# Altium PCB HIVE_BOARD_PCB ASCII REV Project_PCB_Rev.Project_SCH_Rev.PcbDoc (part 6 of 9) (continued)
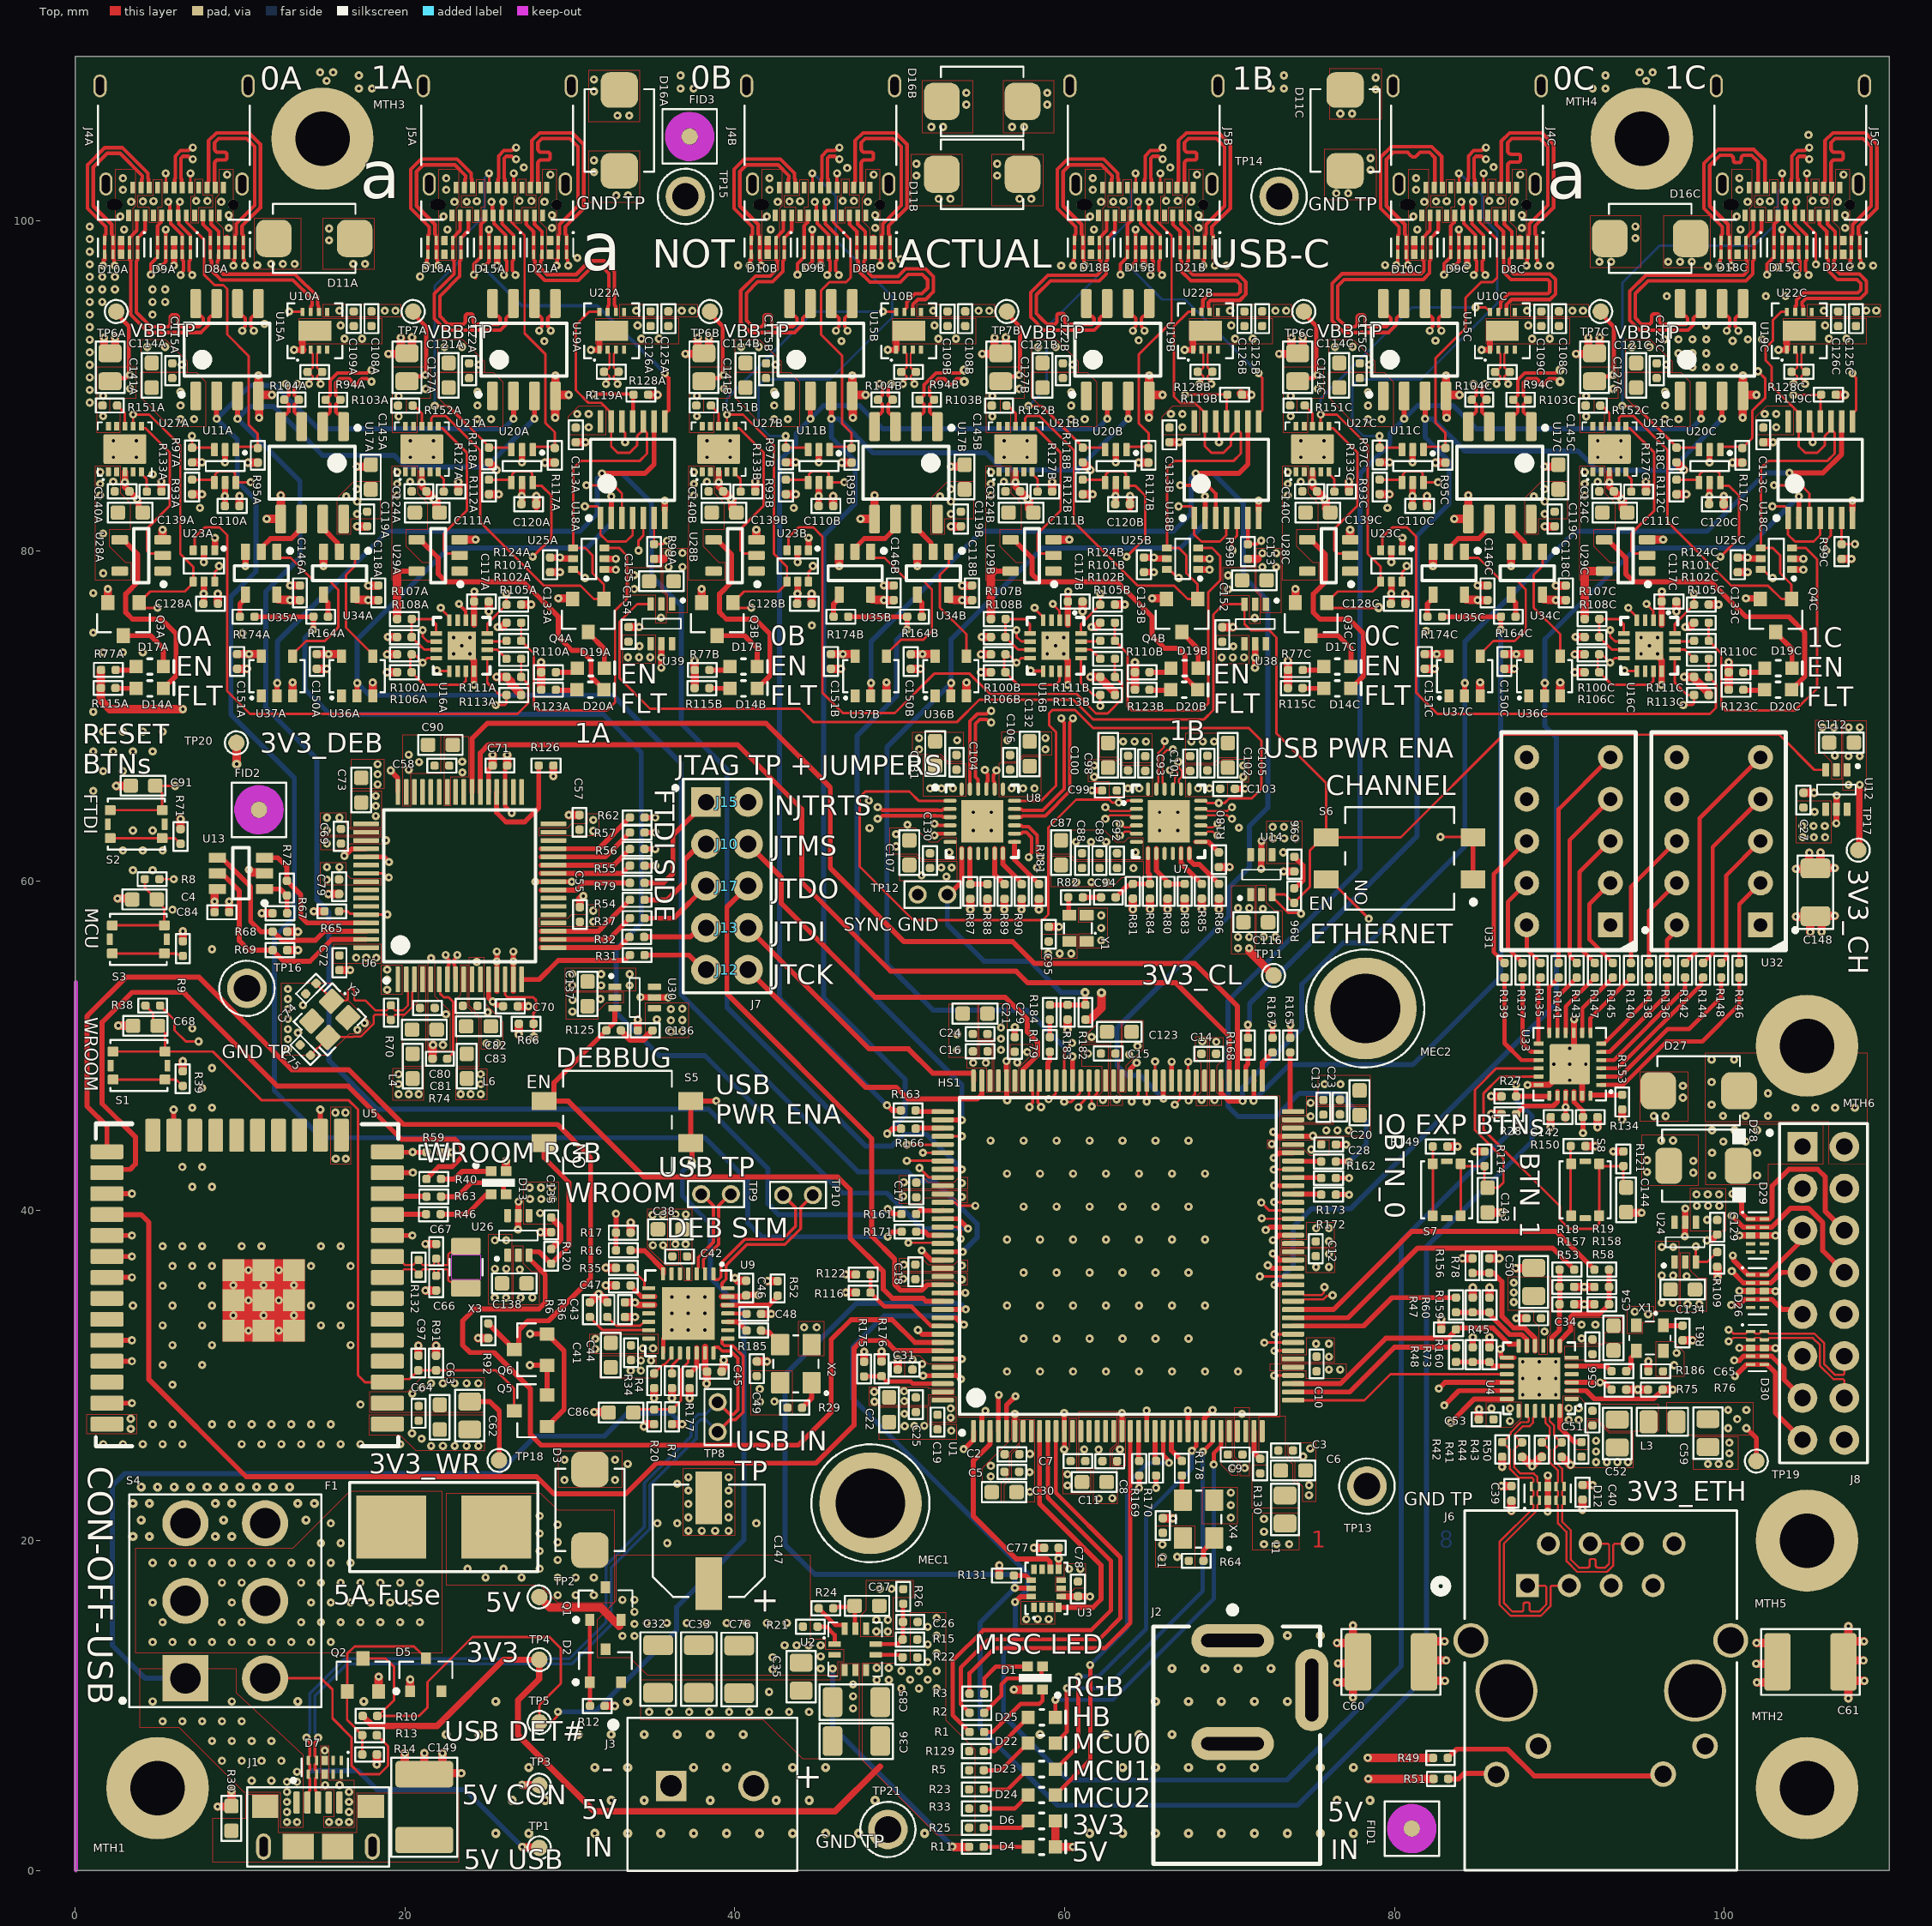
[diagram p0: Top view]
## Nets (pads, with @x,y where several pads share a name; then routed paths per layer and width w, separated by ;. In a path a pad name is that pad's centre, name@x,y a point inside that pad or via, vN(x,y) a via of type N, cw(c..) or ccw(c..) an arc to the next point about the centre after c; other vN are vias at no path point) (continued)
  other v1: 15.392,2.942 16.002,2.942 16.612,2.942 16.612,3.551 8.644,3.879 16.612,4.161 16.612,4.77 9.486,4.839 15.163,5.185 16.037,5.185 78.405,5.567 23.421,5.898 18.296,6.421 78.374,6.831 19.994,7.121 21.176,7.121 22.275,7.109 15.138,7.276 34.807,9.618 36.019,9.618 37.231,9.618 38.443,9.618 39.655,9.618 40.867,9.618 42.079,9.618 43.292,9.618 44.504,9.618 47.174,9.836 32.724,9.975 107.516,10.435 77.479,10.476 47.174,10.565 42.079,10.83 47.174,11.293 76.529,11.409 108.484,11.501 20.32,11.582 18.411,11.755 76.566,12.563 108.429,12.735 76.511,13.798 108.466,13.889 48.583,14.498 49.28,14.498 107.516,14.822 77.479,14.864 48.583,15.195 49.28,15.195 57.675,15.245 58.355,15.245 59.035,15.245 48.806,17.074 49.502,17.074 60.261,18.284 60.951,18.284 58.131,19.568 37.186,20.599 37.998,20.599 38.811,20.599 39.624,20.599 66.572,21.349 70.074,21.388 37.186,21.412 39.624,21.412 89.281,21.767 70.074,22.151 37.186,22.225 39.624,22.225 62.068,22.547 62.885,22.574 74.812,22.759 70.074,22.914 37.186,23.038 39.624,23.038 86.472,23.314 74.815,23.363 92.011,23.373 29.669,23.678 32.743,23.678 37.186,23.851 39.624,23.851 55.518,23.897 89.293,23.952 70.913,24.405 55.522,24.533 99,24.648 99.645,24.648 100.291,24.648 92.217,24.765 92.862,24.765 93.508,24.765 94.153,24.765 29.669,24.897 32.743,24.897 74.446,25.099 100.291,25.293 92.217,25.41 61.187,25.53 62.054,25.523 74.89,25.588 21.587,25.744 22.304,25.744 23.021,25.744 23.738,25.744 24.455,25.744 100.291,25.938 92.217,26.055 21.009,26.179 20.428,26.506 53.126,26.67 3.38,26.779 50.296,26.947 50.892,26.956 51.488,26.966 3.38,27.389 70.749,27.679 50.287,27.685 31.471,27.795 85.115,27.965 35.104,28.635 94.75,29.159 51.418,30.002 56.507,30.252 58.507,30.252 60.507,30.252 62.507,30.252 64.507,30.252 66.507,30.252 68.507,30.252 70.507,30.252 33.689,30.306 34.305,30.306 76.705,30.372 76.022,30.375 41.949,30.862 95.391,30.88 34.305,30.921 34.921,30.921 49.884,30.987 48.898,31.476 100.907,31.686 103.093,31.674 20.817,31.83 98.072,32.14 57.507,32.252 59.507,32.252 61.507,32.252 63.507,32.252 65.507,32.252 67.507,32.252 91.338,32.26 85.757,32.333 10.514,32.734 12.349,32.734 37.179,32.778 38.179,32.778 44.202,32.933 44.965,32.933 91.338,33.096 92.175,33.096 87.377,33.487 33.951,33.553 9.597,33.651 11.432,33.651 13.267,33.651 42.211,33.741 95.376,33.732 36.179,33.778 37.179,33.778 38.179,33.778 94.564,33.884 56.507,34.252 58.507,34.252 60.507,34.252 62.507,34.252 64.507,34.252 66.507,34.252 68.507,34.252 97.769,34.331 98.474,34.328 10.514,34.569 12.349,34.569 27.022,34.741 27.728,34.737 36.179,34.778 37.179,34.778 38.179,34.778 100.907,35.138 103.093,35.126 85.757,35.347 32.179,35.478 9.597,35.486 11.432,35.486 13.267,35.486 41.981,35.742 97.709,36.031 46.727,36.14 57.507,36.252 59.507,36.252 61.507,36.252 63.507,36.252 65.507,36.252 67.507,36.252 10.514,36.404 12.349,36.404 26.963,36.441 87.339,36.52 75.238,36.59 76.022,36.59 53.772,36.678 50.248,36.73 86.352,37.112 76.022,37.375 35.034,37.912 35.649,37.912 56.507,38.252 58.507,38.252 60.507,38.252 62.507,38.252 64.507,38.252 66.507,38.252 68.507,38.252 97.601,38.454 103.093,38.494 100.907,38.506 26.854,38.864 33.689,39.288 35.016,39.742 35.632,39.742 86.503,39.89 94.977,39.881 97.627,40.141 57.507,40.252 59.507,40.252 61.507,40.252 63.507,40.252 65.507,40.252 67.507,40.252 26.881,40.551 53.772,41.678 50.248,41.73 56.507,42.252 58.507,42.252 60.507,42.252 62.507,42.252 64.507,42.252 66.507,42.252 68.507,42.252 98.109,42.311 95.3,42.349 98.109,43.026 95.3,43.063 15.806,43.153 16.416,43.153 83.818,43.892 92.183,43.917 77.06,44.012 55.507,44.252 57.507,44.252 59.507,44.252 61.507,44.252 63.507,44.252 65.507,44.252 67.507,44.252 96.166,44.261 96.88,44.261 72.644,44.78 89.459,45.067 95.721,45.743 96.435,45.743 15.783,45.952 16.393,45.952 56.51,46.687 68.301,46.719 63.148,46.747 97.479,46.859 97.479,47.574 88.062,47.625 76.723,47.669 75.754,47.681 64.364,48.971 6.535,49.068 56.464,49.073 53.471,49.736 12.902,49.792 22.305,50.055 24.939,50.139 25.586,50.153 68.341,50.273 12.902,50.401 61.63,50.538 53.483,50.705 13.517,50.792 17.119,50.97 12.902,51.011 56.977,51.135 2.619,51.226 17.551,51.384 12.902,51.62 22.485,51.912 25.022,52.035 30.154,52.076 12.902,52.23 13.812,52.466 30.157,52.781 12.902,52.84 31.857,52.841 35.967,52.922 34.28,52.949 18.925,53.401 12.902,53.449 18.925,54.011 18.925,54.62 24.353,55.087 21.59,55.321 62.21,56.389 72.075,56.61 72.78,56.607 6.54,56.951 62.21,57.147 59.65,57.209 62.21,57.905 72.015,58.31 2.576,58.937 60.694,59.924 61.612,59.924 62.53,59.924 30.114,59.946 52.825,60.258 51.324,60.333 71.907,60.733 64.167,60.771 52.516,60.803 53.143,60.803 58.325,60.801 15.27,62.252 71.934,62.42 18.847,62.459 48.166,63.204 70.561,63.221 50.466,63.404 106.78,63.491 6.402,63.753 48.125,64.863 106.806,65.178 61.654,65.486 70.934,65.588 2.496,65.76 18.348,65.857 18.348,66.467 20.227,66.748 18.348,67.077 20.858,67.205 106.698,67.601 20.227,67.647 51.177,67.974 58.832,67.974 63.545,68.452 64.235,68.452 64.925,68.452 67.683,68.452 68.372,68.452 69.062,68.452 53.479,68.526 56.53,68.526 51.177,68.664 58.832,68.664 105.933,69.304 106.638,69.3 71.537,72.916 35.537,72.927 22.944,73.756 23.944,73.756 58.944,73.756 59.944,73.756 94.944,73.756 95.944,73.756 22.944,74.756 23.944,74.756 58.944,74.756 59.944,74.756 94.944,74.756 95.944,74.756 35.526,75.957 71.526,75.946 33.904,77.693 69.904,77.682 69.904,78.524 33.904,78.535 3.759,83.137 39.759,83.137 57.759,83.137 75.759,83.137 93.759,83.137 3.023,84.179 21.023,84.179 39.023,84.179 57.023,84.179 75.023,84.179 93.023,84.179 9.093,85.379 27.093,85.379 45.093,85.379 63.093,85.379 81.093,85.379 99.093,85.379 6.473,91.297 24.475,91.294 42.473,91.297 60.475,91.294 78.473,91.297 96.475,91.294 4.382,92.375 22.384,92.373 40.382,92.375 58.384,92.373 76.382,92.375 94.384,92.373 5.456,92.38 23.458,92.377 41.456,92.38 59.458,92.377 77.456,92.38 95.458,92.377 28.453,92.722 46.465,92.726 82.478,92.756 100.496,92.74 64.487,92.775 16.336,92.872 17.405,92.872 34.336,92.872 35.405,92.872 52.336,92.872 53.405,92.872 70.336,92.872 71.405,92.872 88.336,92.872 89.405,92.872 106.336,92.872 107.405,92.872 16.104,93.675 34.104,93.675 52.104,93.675 70.104,93.675 88.104,93.675 106.104,93.675 11.486,93.77 2.413,96.622 20.918,96.638 99.003,97.263 25.585,97.298 64.785,97.298 69.818,97.301 89.426,97.298 103.985,97.298 5.994,97.307 11.044,97.326 40.203,97.317 45.194,97.308 59.784,97.305 84.394,97.308 109.013,97.305 79.422,97.333 16.87,97.409 17.584,97.409 92.415,97.536 93.13,97.536 50.06,97.681 30.454,97.774 15.398,98.836 94.602,98.963 2.973,99.495 22.573,99.495 42.173,99.495 61.773,99.495 81.373,99.495 100.973,99.495 15.398,99.551 9.314,99.593 28.914,99.593 48.514,99.593 68.114,99.593 87.714,99.593 107.314,99.593 94.602,99.678 2.743,100.279 22.343,100.279 41.943,100.28 61.543,100.28 81.143,100.279 100.743,100.279 9.314,100.355 28.914,100.355 48.514,100.355 68.114,100.355 87.714,100.355 107.314,100.355 3.404,101.168 8.865,101.168 23.004,101.168 28.465,101.168 42.604,101.169 48.065,101.169 62.204,101.169 67.665,101.169 81.804,101.168 87.265,101.168 101.404,101.168 106.865,101.168 57.26,101.35 57.975,101.35 2.904,101.898 22.504,101.898 42.104,101.898 61.704,101.898 81.304,101.898 100.904,101.898 2.904,102.602 22.504,102.602 42.104,102.602 61.704,102.602 81.304,102.602 100.904,102.602 55.906,102.76 9.22,102.819 28.82,102.819 48.42,102.82 68.02,102.82 87.62,102.819 107.22,102.819 46.814,103.225 27.209,103.253 66.396,103.251 86.004,103.276 55.906,103.474 105.096,105.225 51.914,105.713 52.629,105.713 32.886,106.398 33.601,106.398 76.711,106.518 77.426,106.518 54.039,107.067 54.039,107.781 31.459,107.87 78.853,107.989 17.209,108.042 18.001,108.042 36.709,108.042 37.501,108.042 72.499,108.042 73.291,108.042 91.999,108.042 92.791,108.042 15.251,108.509 95.249,108.509 31.459,108.584 78.853,108.704 17.209,108.833 36.709,108.833 73.291,108.833 92.791,108.833 14.855,109.017 15.646,109.017 94.854,109.017 95.645,109.017
  other v3: 87.769,28.841 88.769,28.841 89.769,28.841 87.769,29.841 88.769,29.841 89.769,29.841 87.769,30.841 88.769,30.841 89.769,30.841 54.454,63.063 55.554,63.063 65.754,63.063 66.854,63.063 54.454,64.163 55.554,64.163 65.754,64.163 66.854,64.163 2.323,85.682 3.723,85.682 20.323,85.682 21.723,85.682 38.323,85.682 39.723,85.682 56.323,85.682 57.723,85.682 74.323,85.682 75.723,85.682 92.323,85.682 93.723,85.682 2.323,86.682 3.723,86.682 20.323,86.682 21.723,86.682 38.323,86.682 39.723,86.682 56.323,86.682 57.723,86.682 74.323,86.682 75.723,86.682 92.323,86.682 93.723,86.682
  other v4: 90.624,47.916 89.654,48.886 91.594,48.886 90.624,49.856
HW_EN_0A: Q3A.1 U10A.8 U18A.1 U18A.4 U23A.4 U27A.7 | length 78.3
  Top w0.152: U27A.7@3.523,87.567 v1(3.523,88.274) 4.503,88.274 6.38,86.397 6.38,79.825 7.162,79.042 U23A.4@7.162,78.141 7.162,78.051 6.657,77.546 4.559,77.546 Q3A.1@3.883,76.87 4.197,76.556 v1(4.996,76.556) ; v1(12.986,94.518) 13.769,94.518 U10A.8@13.786,94.501 ; v1(30.905,82.709) 31.667,82.709 31.756,82.62 31.756,82.099 U18A.1@31.855,82 31.855,80.995 32.282,80.568 33.408,80.568 33.805,80.965 U18A.4@33.805,82
  Signal_1 w0.152: v1(3.523,88.274) 2.534,89.262 2.534,91.868 2.936,92.27 2.936,96.835 4.08,97.979 7.605,97.979 9.057,96.527 9.057,93.346 9.49,92.912 11.381,92.912 v1(12.986,94.518)
  Signal_2 w0.152: v1(4.996,76.556) 4.996,78.037 7.19,80.23 17.203,80.23 19.218,82.245 30.44,82.245 v1(30.905,82.709)
HW_EN_0B: Q3B.1 U10B.8 U18B.1 U18B.4 U23B.4 U27B.7 | length 66.7
  Top w0.152: U27B.7@39.523,87.567 v1(39.523,88.274) 40.503,88.274 42.38,86.397 42.38,79.825 43.162,79.042 U23B.4@43.162,78.141 43.162,78.051 42.657,77.546 40.559,77.546 Q3B.1@39.883,76.87 40.197,76.556 v1(40.996,76.556) ; v1(48.986,94.518) 49.769,94.518 U10B.8@49.786,94.501 ; v1(66.905,82.709) 67.667,82.709 67.756,82.62 67.756,82.099 U18B.1@67.855,82 67.855,80.995 68.282,80.568 69.408,80.568 69.805,80.965 U18B.4@69.805,82
  Signal_2 w0.152: v1(40.996,76.556) 40.996,78.037 43.19,80.23 53.064,80.23 55.079,82.245 66.44,82.245 v1(66.905,82.709)
  Bottom w0.152: v1@39.52,88.276 39.52,89.244 44.794,94.518 v1(48.986,94.518)
HW_EN_0C: Q3C.1 U10C.8 U18C.1 U18C.4 U23C.4 U27C.7 | length 67.9
  Top w0.152: U27C.7@75.523,87.567 v1(75.523,88.274) 76.503,88.274 78.38,86.397 78.38,79.825 79.162,79.042 U23C.4@79.162,78.141 79.162,78.051 78.657,77.546 76.559,77.546 Q3C.1@75.883,76.87 76.197,76.556 79.029,76.556 v2(79.046,76.572) ; v1(84.912,94.767) 85.52,94.767 U10C.8@85.786,94.501 ; v1(102.905,82.709) 103.667,82.709 103.756,82.62 103.756,82.099 U18C.1@103.855,82 103.855,80.995 104.282,80.568 105.408,80.568 105.805,80.965 U18C.4@105.805,82
  Signal_2 w0.152: v2(79.046,76.572) 79.046,79.8 79.476,80.23 89.728,80.23 91.743,82.245 102.44,82.245 v1(102.905,82.709)
  Bottom w0.152: v1(75.523,88.274) 75.523,89.242 81.048,94.767 v1(84.912,94.767)
HW_EN_1A: Q4A.1 U18A.10 U18A.13 U21A.7 U22A.8 U25A.4 | length 47.7
  Top w0.152: U21A.7@21.523,87.567 21.596,87.641 21.596,88.056 21.723,88.182 22.49,88.182 24.554,86.118 24.554,81.772 28.424,77.903 30.642,77.903 31.453,77.091 Q4A.1@32.062,77.091 32.062,77.968 31.376,78.654 31.376,79.732 30.927,80.18 U25A.4@30.2,80.18 30.2,85.008 30.647,85.454 34.223,85.454 34.675,85.907 34.675,87.162 34.586,87.251 34.554,87.251 U18A.10@34.455,87.35 ; U22A.8@31.786,94.501 31.157,94.501 30.354,93.698 30.354,89.757 31.126,88.985 31.893,88.985 32.406,88.473 32.406,87.949 U18A.13@32.505,87.85 32.505,86.342 32.883,85.963 33.635,85.963 34.084,86.412 34.084,86.979 U18A.10@34.455,87.35 ; U18A.10@34.455,87.85 U18A.10@34.455,87.35
HW_EN_1B: Q4B.1 U18B.10 U18B.13 U21B.7 U22B.8 U25B.4 | length 47.3
  Top w0.152: U21B.7@57.523,87.567 57.596,87.641 57.596,88.056 57.723,88.182 58.49,88.182 60.554,86.118 60.554,81.772 64.424,77.903 66.642,77.903 67.453,77.091 Q4B.1@68.062,77.091 68.062,77.968 67.376,78.654 67.376,79.732 66.927,80.18 U25B.4@66.2,80.18 66.2,85.008 66.647,85.454 70.223,85.454 70.675,85.907 70.675,87.162 70.586,87.251 70.554,87.251 U18B.10@70.455,87.35 ; U22B.8@67.786,94.501 67.494,94.501 66.63,93.637 66.63,89.36 67.014,88.976 67.437,88.976 67.902,88.976 68.406,88.473 68.406,87.949 U18B.13@68.505,87.85 68.505,86.342 68.883,85.963 69.635,85.963 70.084,86.412 70.084,86.979 U18B.10@70.455,87.35 ; U18B.10@70.455,87.85 U18B.10@70.455,87.35
HW_EN_1C: Q4C.1 U18C.10 U18C.13 U21C.7 U22C.8 U25C.4 | length 46.9
  Top w0.152: U21C.7@93.523,87.567 93.596,87.641 93.596,88.056 93.723,88.182 94.49,88.182 96.554,86.118 96.554,81.772 100.424,77.903 102.642,77.903 103.453,77.091 Q4C.1@104.062,77.091 104.062,77.968 103.376,78.654 103.376,79.732 102.927,80.18 U25C.4@102.2,80.18 102.2,85.008 102.647,85.454 106.223,85.454 106.675,85.907 106.675,87.162 106.586,87.251 106.554,87.251 U18C.10@106.455,87.35 ; U22C.8@103.786,94.501 103.436,94.501 102.929,93.993 102.929,92.734 102.493,92.297 102.493,91.552 102.863,91.182 102.863,90.015 104.406,88.473 104.406,87.949 U18C.13@104.505,87.85 104.505,86.342 104.883,85.963 105.635,85.963 106.084,86.412 106.084,86.979 U18C.10@106.455,87.35 ; U18C.10@106.455,87.85 U18C.10@106.455,87.35
I2C_MISC_SCL: R27.2 U1.133 U3.13 U33.19 | length 124.4
  Top w0.305: U1.133@52.601,34.014 52.604,34.017 53.995,34.017 v1(54.003,34.025) ; v1(56.978,17.132) 56.99,17.12 57.96,17.12 U3.13@57.972,17.109 ; R27.2@87.371,46.934 R27.2@87.375,46.934 ; v1@87.375,47.729 R27.2@87.375,46.934 ; U33.19@89.374,46.986 89.374,46.966 89.342,46.934 R27.2@87.375,46.934
  Bottom w0.305: v1(54.003,34.025) 53.637,34.391 47.375,34.391 43.038,30.054 43.038,19.765 44.855,17.948 56.8,17.948 56.978,17.77 v1(56.978,17.132) 54.876,15.029 54.876,8.645 59.564,3.957 74.115,3.957 81.927,11.769 81.927,37.809 83.148,39.03 88.328,44.21 88.328,45.767 87.355,46.74 v1(87.355,47.636)
I2C_MISC_SDA: R28.2 U1.134 U3.14 U33.20 | length 106.1
  Top w0.305: U1.134@52.601,33.514 52.604,33.512 53.406,33.512 53.821,33.097 v1(53.888,33.097) ; v1(56.997,16.281) 57.325,16.609 U3.14@57.972,16.609 ; v1@87.371,45.066 R28.2@87.371,45.861 87.861,46.351 89.624,46.351 89.874,46.601 U33.20@89.874,46.986 U33.20@89.874,47.238
  Bottom w0.305: v1(53.888,33.097) 53.356,33.628 49.038,33.628 48.178,32.768 47.149,31.738 47.149,28.618 48.535,27.231 57.743,18.024 57.743,17.028 v1(56.997,16.281) 56.997,13.999 56.293,13.295 56.293,9.392 60.198,5.487 73.481,5.487 80.397,12.403 80.397,38.164 v1(87.391,45.158)
IMU_I2C_EN: R131.2 U3.12 | length 1.2
  Top w0.305: R131.2@56.92,17.885 57.631,17.885 57.836,17.68 57.836,17.632 57.859,17.609 U3.12@57.972,17.609
IMU_INT1: U1.9 U3.4 | length 14.5
  Top w0.305: U1.9@58.476,26.639 58.476,22.24 62.203,18.513 62.203,16.442 61.707,15.946 U3.4@59.634,15.946
IMU_INT2: U1.3 U3.9 | length 11.8
  Top w0.305: U1.3@55.476,26.639 55.474,26.637 55.474,25.85 54.45,24.826 54.45,21.5 57.053,18.898 58.933,18.898 59.111,18.719 59.111,18.294 U3.9@59.134,18.272
IO_EXP_BTN0: C143.1 R114.1 S7.3 S7.4 U33.16 | length 17.9
  Top w0.152: S7.3@84.01,39.705 S7.4@84.01,42.855 84.159,42.706 R114.1@85.452,42.706 85.452,41.584 C143.1@85.637,41.398 86.289,41.398 86.602,41.712 86.602,43.166 84.874,44.895 84.874,47.331 86.178,48.636 U33.16@88.724,48.636
IO_EXP_BTN1: C144.1 R121.1 S8.3 S8.4 U33.17 | length 22.6
  Top w0.152: U33.17@88.724,48.136 86.413,48.136 85.381,47.104 85.381,44.918 90.016,40.284 90.016,39.471 90.591,38.896 92.072,38.896 92.407,39.232 S8.3@92.407,39.699 S8.4@92.407,42.849 92.552,42.705 R121.1@93.872,42.705 93.872,41.585 C144.1@94.041,41.416
IO_EXP_INT#: R134.1 U1.4 U33.22 | length 100.1
  Top w0.305: U1.4@55.976,26.639 55.979,26.642 55.979,28.816 v1(56.002,28.839) ; U33.22@90.874,47.238 U33.22@90.874,46.986 90.874,46.599 91.42,46.054 R134.1@91.42,45.681 R134.1@91.42,45.516 ; R134.1@91.422,45.514 91.422,44.72 v1(91.424,44.718)
  Signal_1 w0.152: v1(56.002,28.839) 56.597,28.244 58.28,28.244 59.15,29.114 66.949,29.114 69.532,26.531 69.532,19.966 70.931,18.567 97.655,18.567 103.356,24.268 105.239,24.268 106.001,25.03 106.001,42.162 105.56,42.602 103.243,42.602 102.171,41.53 97.868,41.53 94.901,44.496 91.687,44.496 91.465,44.718 v1(91.424,44.718)
MCU_LED_0: D22.K U1.30 | length 24.2
  Top w0.254: D22.K@59.433,7.719 60.133,8.419 v1@60.133,11.054 ; v1(68.377,25.4) 68.953,25.976 68.953,26.616 U1.30@68.976,26.639
  Bottom w0.254: v1(60.139,11.054) 62.478,11.054 68.356,16.932 68.356,25.379 v1(68.377,25.4)
MCU_LED_1: D23.K U1.28 | length 24.7
  Top w0.254: D23.K@59.433,6.148 60.836,7.551 v1@60.836,11.757 ; v1(67.716,25.451) 67.716,25.457 67.972,25.713 67.972,26.635 U1.28@67.976,26.639
  Bottom w0.254: v1(60.842,11.757) 62.044,11.757 64.937,14.65 64.937,21.601 67.716,24.381 v1(67.716,25.451)
MCU_LED_2: D24.K U1.24 | length 25.8
  Top w0.254: D24.K@59.433,4.577 61.552,6.696 v1@61.552,12.46 ; v1@61.528,12.454 v1@61.541,12.467 ; U1.24@65.976,26.639 65.976,25.184 66.268,24.893 66.268,24.776 v1(66.324,24.719)
  Bottom w0.254: v1(61.545,12.46) 63.795,14.71 63.795,23.457 65.058,24.719 v1(66.324,24.719)
MCU_LED_B: R1.2 U1.10 | length 28
  Top w0.254: R1.2@54.23,8.399 53.202,9.427 53.202,12.707 55.063,14.567 61.598,14.567 62.795,15.765 62.795,18.784 58.979,22.601 58.979,26.637 U1.10@58.976,26.639
MCU_LED_G: R2.2 U1.11 | length 26.8
  Top w0.254: R2.2@54.23,9.56 53.696,10.094 53.696,12.293 55.419,14.016 62.079,14.016 63.373,15.31 63.373,18.992 59.461,22.904 59.461,26.625 U1.11@59.476,26.639
MCU_LED_HB: D25.K U1.31 | length 23.6
  Top w0.254: D25.K@59.436,9.289 v1(59.436,10.351) ; v1(69.037,24.613) 69.037,25.294 69.476,25.733 U1.31@69.476,26.639
  Bottom w0.254: v1(59.436,10.351) 62.926,10.351 69.037,16.462 v1(69.037,24.613)
MCU_LED_R: R3.2 U1.20 | length 23.9
  Top w0.254: R3.2@54.23,10.721 54.23,11.966 55.737,13.473 62.433,13.473 63.976,15.016 U1.20@63.976,26.639
MCU_OSC_EN: R64.2 X4.1 | length 1.7
  Top w0.305: R64.2@68.414,18.776 68.414,19.41 68.666,19.662 69.063,20.06 X4.1@69.063,20.16
MCU_RST#: R8.2 U1.27 | length 97.5
  Top w0.152: R8.2@5.105,60.105 R8.2@5.114,60.105 v1@5.979,60.105
  Top w0.305: U1.27@67.476,26.639 v1@67.476,27.879
  Signal_1 w0.152: v1@5.923,60.105 3.209,57.391 3.209,42.073 2.895,41.758 2.895,38.212 3.217,37.89 3.901,37.89 10.023,31.767 15.805,31.767 20.347,27.226 33.142,27.226 34.637,25.731 41.236,25.731 41.948,26.442 52.269,26.442 53.641,25.07 56.407,25.07 59.815,28.478 66.877,28.478 v1(67.469,27.886)
  other v1: 5.983,60.101
MEZ_ADC1_N: D30.2 D30.9 J8.14 U1.49 | length 43.8
  Top w0.127: U1.49@73.851,34.514 74.382,34.514 74.505,34.637 75.688,34.637 75.881,34.831 76.198,34.831 v1(76.242,34.875) ; v1(100.253,32.078) 100.314,32.078 100.539,32.303 101.289,32.303 101.363,32.228 101.363,32.216 101.4,32.18 D30.2@101.582,32.18 101.765,32.18 101.802,32.216 101.802,32.228 101.876,32.303 102.124,32.303 102.198,32.228 102.198,32.216 102.235,32.18 D30.9@102.417,32.18 102.6,32.18 102.706,32.286 105.361,32.286 105.795,31.851 105.795,30.594 106.597,29.793 107.196,29.793 107.27,29.719 J8.14@107.27,28.65
  Signal_1 w0.102: v1(76.242,34.875) 76.302,34.935 76.302,35.216 78.827,37.741 86.745,37.741 87.493,36.993 88.437,36.049 88.437,35.213 90.087,33.563 92.489,33.563 93.007,33.045 93.931,32.121 93.931,30.87 95.071,29.73 97.269,29.73 99.816,32.277 99.969,32.277 100.168,32.078 v1(100.253,32.078)
MEZ_ADC1_P: D30.1 D30.10 J8.12 U1.50 | length 43.8
  Top w0.127: U1.50@73.851,35.014 74.382,35.014 74.505,34.891 75.582,34.891 75.702,35.011 75.702,35.328 v1(75.745,35.371) ; v1(100.253,32.781) 100.314,32.781 100.539,32.557 101.289,32.557 101.363,32.631 101.363,32.643 101.4,32.68 D30.1@101.582,32.68 101.765,32.68 101.802,32.643 101.802,32.631 101.876,32.557 102.124,32.557 102.198,32.631 102.198,32.643 102.235,32.68 D30.10@102.417,32.68 102.6,32.68 102.637,32.643 102.637,32.631 102.711,32.557 105.449,32.557 106.049,31.956 106.049,30.7 106.702,30.047 107.196,30.047 107.27,30.121 J8.12@107.27,31.19
  Signal_1 w0.102: v1(75.745,35.371) 75.805,35.431 76.086,35.431 78.701,38.046 86.871,38.046 88.741,36.176 88.741,35.34 90.213,33.868 92.616,33.868 93.438,33.045 94.236,32.247 94.236,30.996 95.197,30.035 97.143,30.035 99.689,32.582 99.969,32.582 100.168,32.781 v1(100.253,32.781)
MEZ_I2C_SCL: D30.4 D30.7 J8.13 U1.53 | length 42.3
  Top w0.305: v1(72.319,36.698) 72.385,36.698 72.569,36.514 U1.53@73.851,36.514 ; v1(100.592,30.931) 100.915,30.931 101.163,31.18 D30.4@101.582,31.18 D30.7@102.417,31.18 102.856,31.18 103.61,30.426 103.61,29.77 J8.13@104.73,28.65
  Signal_1 w0.152: v1(72.319,36.698) 76.069,32.949 85.908,32.949 87.497,31.36 89.934,31.36 93.628,27.666 99.265,27.666 101.272,29.674 101.272,30.251 v1(100.592,30.931)
MEZ_I2C_SDA: D30.5 D30.6 J8.15 U1.54 | length 41.3
  Top w0.305: v1(72.612,37.406) 73.001,37.017 73.849,37.017 U1.54@73.851,37.014 ; v1(100.64,29.978) 101.342,30.68 D30.5@101.582,30.68 D30.6@102.417,30.68 102.594,30.68 102.895,30.378 103.085,30.189 103.085,27.755 J8.15@104.73,26.11
  Signal_1 w0.152: v1(72.612,37.406) 76.071,33.947 86.051,33.947 87.819,32.179 90.622,32.179 94.201,28.601 99.263,28.601 v1(100.64,29.978)
MEZ_SPI_MISO: D26.2 D26.9 J8.7 U1.63 | length 42.3
  Top w0.305: v1(72.693,41.532) 72.708,41.517 73.849,41.517 U1.63@73.851,41.514 ; v1(100.44,36.339) 101.147,35.632 D26.2@101.582,35.632 D26.9@102.417,35.632 102.815,35.632 103.453,36.27 J8.7@104.73,36.27
  Signal_1 w0.152: v1(72.693,41.532) 73.662,42.502 73.662,43.821 75.146,45.304 76.08,46.239 85.622,46.239 85.678,46.295 86.032,46.295 86.088,46.239 89.018,46.239 92.205,43.051 93.927,43.051 98.039,38.939 99.694,38.939 101.133,37.5 101.133,37.031 v1(100.44,36.339)